# Altium PCB Copy of GameBoard_V1I1_083018.PcbDoc (part 4 of 21)
Units mil, origin at the board's own origin, x right, y up, seen from the top; angles counter-clockwise.
Board outline 7165.35 x 2763.78 mil, 12 copper layers (L1, L2, L3, L4, L5 (PWR), L6 (PWR), L7 (PWR), L8 (PWR), L9, L10, L11, L12), stack 61.575 mil thick; 1542 components, 1068 nets, 5447 pads, 3797 vias.
Unrouted connection lines stored in the file: 105.
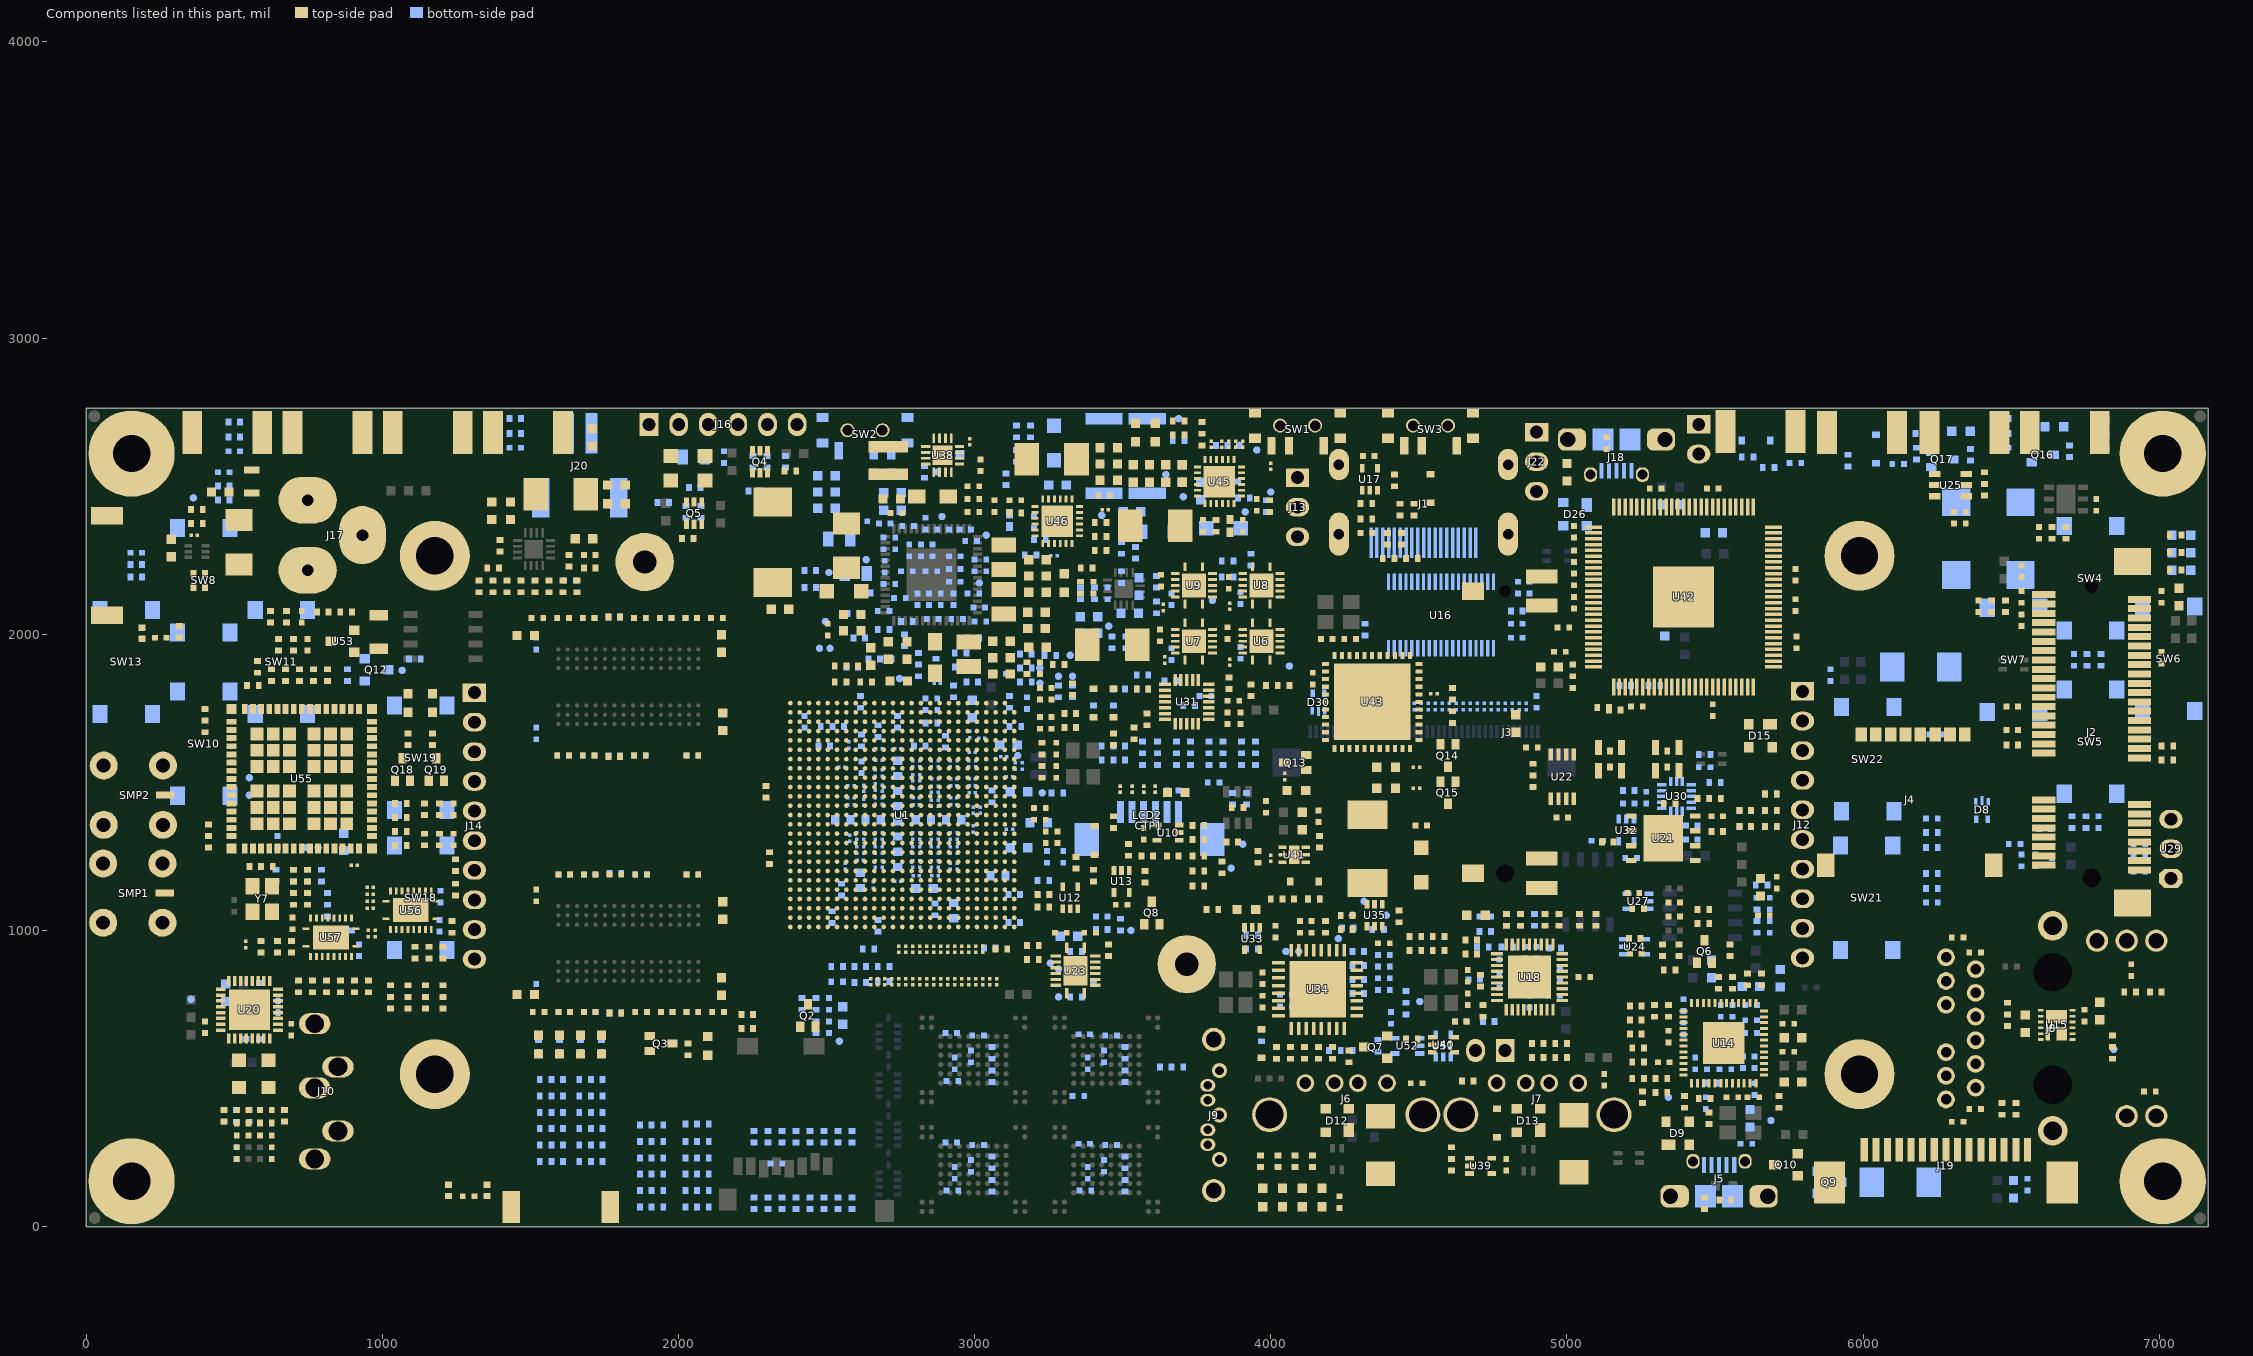
[diagram p14: the components of this part, seen from the top]

## Footprints (in the part's own frame and the unit in brackets; to place one, negate y for a bottom-side part, rotate by r counter-clockwise, add the part's x,y. Pads: shape width x height; smd on the part's side, far side on the other; paste and mask are expansions set on the pad) (continued)
"HDMI V1.1" [mm]
  rect 2.6x0.3 smd mask+0.025: 1(-3.36,4.5) 2(-3.36,4) 3(-3.36,3.5) 4(-3.36,3) 5(-3.36,2.5) 6(-3.36,2) 7(-3.36,1.5) 8(-3.36,1) 9(-3.36,0.5) 10(-3.36,0) 11(-3.36,-0.5) 12(-3.36,-1) 13(-3.36,-1.5) 14(-3.36,-2) 15(-3.36,-2.5) 16(-3.36,-3) 17(-3.36,-3.5) 18(-3.36,-4) 19(-3.36,-4.5)
  oval 3.7x1.7 hole 0.9 slot 2.7 at 0 deg: MTG1(-2.6,7.25) MTG3(-2.6,-7.25)
  oval 2.7x1.7 hole 0.9 slot 1.7 at 0 deg: MTG2(3.36,7.25) MTG4(3.36,-7.25)
  silkscreen extent -5.1,-10 12.05,10, body extent -4.2,-7.5 7.95,7.5, height 6.28
HDR_1X2_2.54MM [mm]
  rect 2x1.6 hole 1.1: 1(0,0)
  oval 2x1.6 hole 1.1: 2(0,-2.54)
  silkscreen extent -1.3,-3.81 1.3,1.27, body extent -1.2,-3.62 1.21,1.06, height 8.4
HDR_1X3_2.54MM [mm]
  rect 2x1.6 hole 1.1: 1(0,0)
  oval 2x1.6 hole 1.1: 2(0,-2.54) 3(0,-5.08)
  silkscreen extent -1.3,-6.25 1.3,1.27, body extent -1.2,-6.16 1.21,1.06, height 8.4
HDR_1X6_2.54MM [mm]
  rect 2x1.6 hole 1.1: 1(0,0)
  oval 2x1.6 hole 1.1: 2(0,-2.54) 3(0,-5.08) 4(0,-7.62) 5(0,-10.16) 6(0,-12.7)
  silkscreen extent -1.3,-13.97 1.3,1.27, body extent -1.2,-13.77 1.21,1.07, height 8.4
HVQFN33_7X7MM [mm]
  rect 1.1x0.3 smd mask+0.06: 1(-3.35,2.275) 2(-3.35,1.625) 3(-3.35,0.975) 4(-3.35,0.325) 5(-3.35,-0.325) 6(-3.35,-0.975) 7(-3.35,-1.625) 8(-3.35,-2.275) 17(3.35,-2.275) 18(3.35,-1.625) 19(3.35,-0.975) 20(3.35,-0.325) 21(3.35,0.325) 22(3.35,0.975) 23(3.35,1.625) 24(3.35,2.275)
  rect 0.3x1.1 smd mask+0.06: 9(-2.275,-3.35) 10(-1.625,-3.35) 11(-0.975,-3.35) 12(-0.325,-3.35) 13(0.325,-3.35) 14(0.975,-3.35) 15(1.625,-3.35) 16(2.275,-3.35) 25(2.275,3.35) 26(1.625,3.35) 27(0.975,3.35) 28(0.325,3.35) 29(-0.325,3.35) 30(-0.975,3.35) 31(-1.625,3.35) 32(-2.275,3.35)
  rect 4.85x4.85 smd paste-10 mask+0.06: 33(0,0)
  silkscreen extent -3.6,-3.6 3.6,3.6, body extent -3.5,-3.5 3.5,3.5, height 1
IFSC_79MILX98MIL [mm]
  rect 1.3x2.1 smd: 1(-1.05,0) 2(1.05,0)
  silkscreen extent -0.1,-1.1 0.1,1.1, body extent -1.3,-1 1.3,1, height 1.2
IHLP_118MILX144MIL [mm]
  rect 1.5x1.2 smd: 1(-1.35,0) 2(1.35,0)
  silkscreen extent -1.9,-1.6 1.9,1.6, body extent -1.9,-1.5 1.9,1.5, height 1.5
IHLP_160MILX175MIL [mm]
  rect 1.9x2.3 smd: 1(-1.9,0) 2(1.9,0)
  silkscreen extent -2.3,-2.2 2.3,2.2, body extent -2.3,-2.1 2.3,2.1, height 1.2
IHLP_204MILX216MIL [mm]
  rect 2.115x2.79 smd: 1(-2.137,0) 2(2.138,0)
  silkscreen extent -2.9,-2.7 2.9,2.7, body extent -2.75,-2.6 2.75,2.6, height 3
IHLP_255MILX255MIL [mil]
  rect 95x135 smd: 1(-115,0) 2(115,0)
  silkscreen extent -128,-128 128,128, body extent -128,-128 128,128, height 118
L829-1J1T-43 [mil]
  round 60 hole 35.43: 1(-200,-305) 2(-120,-305) 3(-40,-305) 4(40,-305) 5(120,-305) 6(200,-305) 7(-240,-405) 8(-160,-405) 9(-80,-405) 10(80,-405) 11(160,-405) 12(240,-405)
  round 75 hole 51.18: 13(-296,205) 14(-296,305) 15(296,105) 16(296,205) 17(296,305)
  round 100 hole 63: 18(-346,-45) 19(346,-45)
  round 0 hole 129.92: ""(-190,-45) ""(190,-45)
  silkscreen extent -346,-475 346,475, body extent -401,-472 401,495, height 494
LED_0603 [mm]
  rect 0.8x0.8 smd: 1(-0.8,0) 2(0.8,0)
  silkscreen extent -1.78,-0.76 1.52,0.76, body extent -0.85,-0.4 0.85,0.4, height 0.66
"LI-ION BAT" [mil]
  body extent 0,0 2126,2835, height 327
LQP_0402 [mm] "SMD, 2-Leads, Body 1.1x0.6mm"
  rect 0.55x0.6 smd: 1(-0.475,0) 2(0.475,0)
  body extent -0.55,-0.3 0.55,0.3, height 0.45
MH_5MMD_2MMD [mm]
  round 5 / inner round 3.683 / far side round 5 hole 2: 1(0,0)
MH_7.4MMD_3.2MMD [mm]
  round 7.4 / inner round 3.683 / far side round 7.4 hole 3.2 mask+0.025: 1(0,0)
MICRO_SD_CARD [mil]
  body extent -341,-541 93,50, height 77
MICRO_SIM_CARD [mil]
  body extent 0,-591 472,0, height 67
MINI_PCIE_52PIN_CARD_CON [mm]
  rect 2x0.6 smd mask+0.05: 1(-4.1,-0.7) 2(4.1,-1.1) 3(-4.1,-1.5) 4(4.1,-1.9) 5(-4.1,-2.3) 6(4.1,-2.7) 7(-4.1,-3.1) 8(4.1,-3.5) 9(-4.1,-3.9) 10(4.1,-4.3) 11(-4.1,-4.7) 12(4.1,-5.1) 13(-4.1,-5.5) 14(4.1,-5.9) 15(-4.1,-6.3) 16(4.1,-6.7) 17(-4.1,-10.3) 18(4.1,-10.7) 19(-4.1,-11.1) 20(4.1,-11.5) 21(-4.1,-11.9) 22(4.1,-12.3) 23(-4.1,-12.7) 24(4.1,-13.1) 25(-4.1,-13.5) 26(4.1,-13.9) 27(-4.1,-14.3) 28(4.1,-14.7) 29(-4.1,-15.1) 30(4.1,-15.5) 31(-4.1,-15.9) 32(4.1,-16.3) 33(-4.1,-16.7) 34(4.1,-17.1) 35(-4.1,-17.5) 36(4.1,-17.9) 37(-4.1,-18.3) 38(4.1,-18.7) 39(-4.1,-19.1) 40(4.1,-19.5) 41(-4.1,-19.9) 42(4.1,-20.3) 43(-4.1,-20.7) 44(4.1,-21.1) 45(-4.1,-21.5) 46(4.1,-21.9) 47(-4.1,-22.3) 48(4.1,-22.7) 49(-4.1,-23.1) 50(4.1,-23.5) 51(-4.1,-23.9) 52(4.1,-24.3)
  rect 3.2x2.3 smd: 53(-3.5,2.15) 54(-3.5,-27.15)
  rrect70% 0x0 hole 1.6 unplated: 55(0,0)
  rrect70% 0x0 hole 1.1 unplated: 56(0,-25)
  silkscreen extent -5.1,-26.8 5.1,1.8, body extent -5,-27.35 5,2.35, height 5.95
MINI_PCIE_52PIN_CARD_LATCH [mm]
  rect 2.7x1.2 smd mask+0.09: 1(-3.15,1.25) 2(-3.15,-1.25) 4(-3.15,-22.95) 5(-3.15,-25.45)
  rect 1.9x1.5 smd mask+0.09: 3(2.75,0) 6(2.75,-24.2)
  rrect70% 0x0 hole 1.55 mask+0.09: 7(0,0)
  rrect70% 0x0 hole 1.05 mask+0.09: 8(0,-24.2)
  silkscreen extent -3.35,-26.6 3.95,2.4, body extent -3.95,-26.6 3.95,2.4, height 6.7
"MINI_PCIE_FULL CARD" [mil]
  body extent 0,0 2006,1181, height 272
MLF_3X3_12PINS [mm]
  rect 0.48x0.23 smd mask+0.076: 1(-1.36,1.25) 2(-1.36,0.75) 3(-1.36,0.25) 4(-1.36,-0.25) 5(-1.36,-0.75) 6(-1.36,-1.25) 7(1.36,-1.25) 8(1.36,-0.75) 9(1.36,-0.25) 10(1.36,0.25) 11(1.36,0.75) 12(1.36,1.25)
  rect 1.8x1.125 smd mask+0.025: 13(0,0.699)
  rect 0.4x1.19 smd mask+0.076: 14(-0.77,-0.73)
  rect 0.9x1.19 smd mask+0.025: 15(0.45,-0.73)
  silkscreen extent -1.52,-1.65 1.52,2.1, body extent -1.52,-1.65 1.52,1.65, height 0.9
MOC0100A [mm]
  rect 0.85x0.85 smd paste-0.069 mask-0.051: 1(-5.975,6.025) 17(-5.975,-6.025) 33(5.975,-6.025) 49(5.975,6.025)
  rect 0.85x0.5 smd paste-0.05 mask-0.051: 2(-5.975,4.9) 3(-5.975,4.2) 4(-5.975,3.5) 5(-5.975,2.8) 6(-5.975,2.1) 7(-5.975,1.4) 8(-5.975,0.7) 9(-5.975,0) 10(-5.975,-0.7) 11(-5.975,-1.4) 12(-5.975,-2.1) 13(-5.975,-2.8) 14(-5.975,-3.5) 15(-5.975,-4.2) 16(-5.975,-4.9) 34(5.975,-4.9) 35(5.975,-4.2) 36(5.975,-3.5) 37(5.975,-2.8) 38(5.975,-2.1) 39(5.975,-1.4) 40(5.975,-0.7) 41(5.975,0) 42(5.975,0.7) 43(5.975,1.4) 44(5.975,2.1) 45(5.975,2.8) 46(5.975,3.5) 47(5.975,4.2) 48(5.975,4.9)
  rect 0.5x0.85 smd paste-0.05 mask-0.051: 18(-4.9,-6.025) 19(-4.2,-6.025) 20(-3.5,-6.025) 21(-2.8,-6.025) 22(-2.1,-6.025) 23(-1.4,-6.025) 24(-0.7,-6.025) 25(0,-6.025) 26(0.7,-6.025) 27(1.4,-6.025) 28(2.1,-6.025) 29(2.8,-6.025) 30(3.5,-6.025) 31(4.2,-6.025) 32(4.9,-6.025) 50(4.9,6.025) 51(4.2,6.025) 52(3.5,6.025) 53(2.8,6.025) 54(2.1,6.025) 55(1.4,6.025) 56(0.7,6.025) 57(0,6.025) 58(-0.7,6.025) 59(-1.4,6.025) 60(-2.1,6.025) 61(-2.8,6.025) 62(-3.5,6.025) 63(-4.2,6.025) 64(-4.9,6.025)
  rect 1.1x1.1 smd paste-0.075 mask-0.051: G1(-3.85,3.85) G2(-3.85,2.45) G3(-3.85,1.05) G4(-3.85,-1.05) G5(-3.85,-2.45) G6(-3.85,-3.85) G7(-2.45,3.85) G8(-2.45,2.45) G9(-2.45,1.05) G10(-2.45,-1.05) G11(-2.45,-2.45) G12(-2.45,-3.85) G13(-1.05,3.85) G14(-1.05,2.45) G15(-1.05,1.05) G16(-1.05,-1.05) G17(-1.05,-2.45) G18(-1.05,-3.85) G19(1.05,3.85) G20(1.05,2.45) G21(1.05,1.05) G22(1.05,-1.05) G23(1.05,-2.45) G24(1.05,-3.85) G25(2.45,3.85) G26(2.45,2.45) G27(2.45,1.05) G28(2.45,-1.05) G29(2.45,-2.45) G30(2.45,-3.85) G31(3.85,3.85) G32(3.85,2.45) G33(3.85,1.05) G34(3.85,-1.05) G35(3.85,-2.45) G36(3.85,-3.85)
  silkscreen extent -6.85,-6.9 6.85,6.9, body extent -6.7,-6.75 6.7,6.75, height 2
"MSOP8 _SMALLER" [mm]
  rect 1.04x0.38 smd mask+0.076: 1(-1.9,0.975) 2(-1.9,0.325) 3(-1.9,-0.325) 4(-1.9,-0.975) 5(1.9,-0.975) 6(1.9,-0.325) 7(1.9,0.325) 8(1.9,0.975)
  silkscreen extent -1.5,-1.6 1.5,1.6, body extent -1.5,-1.6 1.5,1.6, height 0.9
NHD-4.3-480272MB-ASXN-CTP [mm] "LCD TFT DISPLAY WVGA 4.3\" CAP T/S"
  round 6 hole 3.2: ""(-61.09,-22.225) ""(61.09,-22.225) ""(61.09,22.225)
  round 6 hole 3.2 unplated: ""(-61.09,22.225)
  L1 keep-out region: -66.5,29 -52.9,29 -52.9,15 -66.5,15
  L1 keep-out region: -66.4,-15.4 -52.8,-15.4 -52.8,-29.4 -66.4,-29.4
  L1 keep-out region: 52.9,-15.3 66.5,-15.3 66.5,-29.3 52.9,-29.3
  L1 keep-out region: 52.9,29.2 66.5,29.2 66.5,15.2 52.9,15.2
  L1 keep-out region: -46.6,-20.65 -44.1,-18.15 -40.7,-18.15 -38.4,-20.45 -38.4,-23.95 -40.7,-26.25 -44.2,-26.25 -46.6,-23.85
  L1 keep-out region: -46.175,-20.825 -43.925,-18.575 -40.875,-18.575 -38.825,-20.625 -38.825,-23.775 -40.875,-25.825 -44.025,-25.825 -46.175,-23.675
  L1 keep-out region: 38.75,23.575 41,25.825 44.05,25.825 46.1,23.775 46.1,20.625 44.05,18.575 40.9,18.575 38.75,20.725
  L1 keep-out region: 38.975,-20.925 41.225,-18.675 44.275,-18.675 46.325,-20.725 46.325,-23.875 44.275,-25.925 41.125,-25.925 38.975,-23.775
  L1 keep-out region: -46.2,23.65 -43.95,25.9 -40.9,25.9 -38.85,23.85 -38.85,20.7 -40.9,18.65 -44.05,18.65 -46.2,20.8
  silkscreen extent -52.8,-35 52.8,35, body extent -66.3,-79.21 66.28,35.01, height 14.43
PBGA624 [mm]
  round 0.4 smd mask+0.05: A2(-8.8,9.6) A3(-8,9.6) A4(-7.2,9.6) A5(-6.4,9.6) A6(-5.6,9.6) A7(-4.8,9.6) A8(-4,9.6) A9(-3.2,9.6) A10(-2.4,9.6) A11(-1.6,9.6) A12(-0.8,9.6) A13(0,9.6) A14(0.8,9.6) A15(1.6,9.6) A16(2.4,9.6) A17(3.2,9.6) A18(4,9.6) A19(4.8,9.6) A20(5.6,9.6) A21(6.4,9.6) A22(7.2,9.6) A23(8,9.6) A24(8.8,9.6) A25(9.6,9.6) AA1(-9.6,-6.4) AA2(-8.8,-6.4) AA3(-8,-6.4) AA4(-7.2,-6.4) AA5(-6.4,-6.4) AA6(-5.6,-6.4) AA7(-4.8,-6.4) AA8(-4,-6.4) AA9(-3.2,-6.4) AA10(-2.4,-6.4) AA11(-1.6,-6.4) AA12(-0.8,-6.4) AA13(0,-6.4) AA14(0.8,-6.4) AA15(1.6,-6.4) AA16(2.4,-6.4) AA17(3.2,-6.4) AA18(4,-6.4) AA19(4.8,-6.4) AA20(5.6,-6.4) AA21(6.4,-6.4) AA22(7.2,-6.4) AA23(8,-6.4) AA24(8.8,-6.4) AA25(9.6,-6.4) AB1(-9.6,-7.2) AB2(-8.8,-7.2) AB3(-8,-7.2) AB4(-7.2,-7.2) AB5(-6.4,-7.2) AB6(-5.6,-7.2) AB7(-4.8,-7.2) AB8(-4,-7.2) AB9(-3.2,-7.2) AB10(-2.4,-7.2) AB11(-1.6,-7.2) AB12(-0.8,-7.2) AB13(0,-7.2) AB14(0.8,-7.2) AB15(1.6,-7.2) AB16(2.4,-7.2) AB17(3.2,-7.2) AB18(4,-7.2) AB19(4.8,-7.2) AB20(5.6,-7.2) AB21(6.4,-7.2) AB22(7.2,-7.2) AB23(8,-7.2) AB24(8.8,-7.2) AB25(9.6,-7.2) AC1(-9.6,-8) AC2(-8.8,-8) AC3(-8,-8) AC4(-7.2,-8) AC5(-6.4,-8) AC6(-5.6,-8) AC7(-4.8,-8) AC8(-4,-8) AC9(-3.2,-8) AC10(-2.4,-8) AC11(-1.6,-8) AC12(-0.8,-8) AC13(0,-8) AC14(0.8,-8) AC15(1.6,-8) AC16(2.4,-8) AC17(3.2,-8) AC18(4,-8) AC19(4.8,-8) AC20(5.6,-8) AC21(6.4,-8) AC22(7.2,-8) AC23(8,-8) AC24(8.8,-8) AC25(9.6,-8) AD1(-9.6,-8.8) AD2(-8.8,-8.8) AD3(-8,-8.8) AD4(-7.2,-8.8) AD5(-6.4,-8.8) AD6(-5.6,-8.8) AD7(-4.8,-8.8) AD8(-4,-8.8) AD9(-3.2,-8.8) AD10(-2.4,-8.8) AD11(-1.6,-8.8) AD12(-0.8,-8.8) AD13(0,-8.8) AD14(0.8,-8.8) AD15(1.6,-8.8) AD16(2.4,-8.8) AD17(3.2,-8.8) AD18(4,-8.8) AD19(4.8,-8.8) AD20(5.6,-8.8) AD21(6.4,-8.8) AD22(7.2,-8.8) AD23(8,-8.8) AD24(8.8,-8.8) AD25(9.6,-8.8) AE1(-9.6,-9.6) AE2(-8.8,-9.6) AE3(-8,-9.6) AE4(-7.2,-9.6) AE5(-6.4,-9.6) AE6(-5.6,-9.6) AE7(-4.8,-9.6) AE8(-4,-9.6) AE9(-3.2,-9.6) AE10(-2.4,-9.6) AE11(-1.6,-9.6) AE12(-0.8,-9.6) AE13(0,-9.6) AE14(0.8,-9.6) AE15(1.6,-9.6) AE16(2.4,-9.6) AE17(3.2,-9.6) AE18(4,-9.6) AE19(4.8,-9.6) AE20(5.6,-9.6) AE21(6.4,-9.6) AE22(7.2,-9.6) AE23(8,-9.6) AE24(8.8,-9.6) AE25(9.6,-9.6) B1(-9.6,8.8) B2(-8.8,8.8) B3(-8,8.8) B4(-7.2,8.8) B5(-6.4,8.8) B6(-5.6,8.8) B7(-4.8,8.8) B8(-4,8.8) B9(-3.2,8.8) B10(-2.4,8.8) B11(-1.6,8.8) B12(-0.8,8.8) B13(0,8.8) B14(0.8,8.8) B15(1.6,8.8) B16(2.4,8.8) B17(3.2,8.8) B18(4,8.8) B19(4.8,8.8) B20(5.6,8.8) B21(6.4,8.8) B22(7.2,8.8) B23(8,8.8) B24(8.8,8.8) B25(9.6,8.8) C1(-9.6,8) C2(-8.8,8) C3(-8,8) C4(-7.2,8) C5(-6.4,8) C6(-5.6,8) C7(-4.8,8) C8(-4,8) C9(-3.2,8) C10(-2.4,8) C11(-1.6,8) C12(-0.8,8) C13(0,8) C14(0.8,8) C15(1.6,8) C16(2.4,8) C17(3.2,8) C18(4,8) C19(4.8,8) C20(5.6,8) C21(6.4,8) C22(7.2,8) C23(8,8) C24(8.8,8) C25(9.6,8) D1(-9.6,7.2) D2(-8.8,7.2) D3(-8,7.2) D4(-7.2,7.2) D5(-6.4,7.2) D6(-5.6,7.2) D7(-4.8,7.2) D8(-4,7.2) D9(-3.2,7.2) D10(-2.4,7.2) D11(-1.6,7.2) D12(-0.8,7.2) D13(0,7.2) D14(0.8,7.2) D15(1.6,7.2) D16(2.4,7.2) D17(3.2,7.2) D18(4,7.2) D19(4.8,7.2) D20(5.6,7.2) D21(6.4,7.2) D22(7.2,7.2) D23(8,7.2) D24(8.8,7.2) D25(9.6,7.2) E1(-9.6,6.4) E2(-8.8,6.4) E3(-8,6.4) E4(-7.2,6.4) E5(-6.4,6.4) E6(-5.6,6.4) E7(-4.8,6.4) E8(-4,6.4) E9(-3.2,6.4) E10(-2.4,6.4) E11(-1.6,6.4) E12(-0.8,6.4) E13(0,6.4) E14(0.8,6.4) E15(1.6,6.4) E16(2.4,6.4) E17(3.2,6.4) E18(4,6.4) E19(4.8,6.4) E20(5.6,6.4) E21(6.4,6.4) E22(7.2,6.4) E23(8,6.4) E24(8.8,6.4) E25(9.6,6.4) F1(-9.6,5.6) F2(-8.8,5.6) F3(-8,5.6) F4(-7.2,5.6) F5(-6.4,5.6) F6(-5.6,5.6) F7(-4.8,5.6) F8(-4,5.6) F9(-3.2,5.6) F10(-2.4,5.6) F11(-1.6,5.6) F12(-0.8,5.6) F13(0,5.6) F14(0.8,5.6) F15(1.6,5.6) F16(2.4,5.6) F17(3.2,5.6) F18(4,5.6) F19(4.8,5.6) F20(5.6,5.6) F21(6.4,5.6) F22(7.2,5.6) F23(8,5.6) F24(8.8,5.6) F25(9.6,5.6) G1(-9.6,4.8) G2(-8.8,4.8) G3(-8,4.8) G4(-7.2,4.8) G5(-6.4,4.8) G6(-5.6,4.8) G7(-4.8,4.8) G8(-4,4.8) G9(-3.2,4.8) G10(-2.4,4.8) G11(-1.6,4.8) G12(-0.8,4.8) G13(0,4.8) G14(0.8,4.8) G15(1.6,4.8) G16(2.4,4.8) G17(3.2,4.8) G18(4,4.8) G19(4.8,4.8) G20(5.6,4.8) G21(6.4,4.8) G22(7.2,4.8) G23(8,4.8) G24(8.8,4.8) G25(9.6,4.8) H1(-9.6,4) H2(-8.8,4) H3(-8,4) H4(-7.2,4) H5(-6.4,4) H6(-5.6,4) H7(-4.8,4) H8(-4,4) H9(-3.2,4) H10(-2.4,4) H11(-1.6,4) H12(-0.8,4) H13(0,4) H14(0.8,4) H15(1.6,4) H16(2.4,4) H17(3.2,4) H18(4,4) H19(4.8,4) H20(5.6,4) H21(6.4,4) H22(7.2,4) H23(8,4) H24(8.8,4) H25(9.6,4) J1(-9.6,3.2) J2(-8.8,3.2) J3(-8,3.2) J4(-7.2,3.2) J5(-6.4,3.2) J6(-5.6,3.2) J7(-4.8,3.2) J8(-4,3.2) J9(-3.2,3.2) J10(-2.4,3.2) J11(-1.6,3.2) J12(-0.8,3.2) J13(0,3.2) J14(0.8,3.2) J15(1.6,3.2) J16(2.4,3.2) J17(3.2,3.2) J18(4,3.2) J19(4.8,3.2) J20(5.6,3.2) J21(6.4,3.2) J22(7.2,3.2) J23(8,3.2) J24(8.8,3.2) J25(9.6,3.2) K1(-9.6,2.4) K2(-8.8,2.4) K3(-8,2.4) K4(-7.2,2.4) K5(-6.4,2.4) K6(-5.6,2.4) K7(-4.8,2.4) K8(-4,2.4) K9(-3.2,2.4) K10(-2.4,2.4) K11(-1.6,2.4) K12(-0.8,2.4) K13(0,2.4) K14(0.8,2.4) K15(1.6,2.4) K16(2.4,2.4) K17(3.2,2.4) K18(4,2.4) K19(4.8,2.4) K20(5.6,2.4) K21(6.4,2.4) K22(7.2,2.4) K23(8,2.4) K24(8.8,2.4) K25(9.6,2.4) L1(-9.6,1.6) L2(-8.8,1.6) L3(-8,1.6) L4(-7.2,1.6) L5(-6.4,1.6) L6(-5.6,1.6) L7(-4.8,1.6) L8(-4,1.6) L9(-3.2,1.6) L10(-2.4,1.6) L11(-1.6,1.6) L12(-0.8,1.6) L13(0,1.6) L14(0.8,1.6) L15(1.6,1.6) L16(2.4,1.6) L17(3.2,1.6) L18(4,1.6) L19(4.8,1.6) L20(5.6,1.6) L21(6.4,1.6) L22(7.2,1.6) L23(8,1.6) L24(8.8,1.6) L25(9.6,1.6) M1(-9.6,0.8) M2(-8.8,0.8) M3(-8,0.8) M4(-7.2,0.8) M5(-6.4,0.8) M6(-5.6,0.8) M7(-4.8,0.8) M8(-4,0.8) M9(-3.2,0.8) M10(-2.4,0.8) M11(-1.6,0.8) M12(-0.8,0.8) M13(0,0.8) M14(0.8,0.8) M15(1.6,0.8) M16(2.4,0.8) M17(3.2,0.8) M18(4,0.8) M19(4.8,0.8) M20(5.6,0.8) M21(6.4,0.8) M22(7.2,0.8) M23(8,0.8) M24(8.8,0.8) M25(9.6,0.8) N1(-9.6,0) N2(-8.8,0) N3(-8,0) N4(-7.2,0) N5(-6.4,0) N6(-5.6,0) N7(-4.8,0) N8(-4,0) N9(-3.2,0) N10(-2.4,0) N11(-1.6,0) N12(-0.8,0) N13(0,0) N14(0.8,0) N15(1.6,0) N16(2.4,0) N17(3.2,0) N18(4,0) N19(4.8,0) N20(5.6,0) N21(6.4,0) N22(7.2,0) N23(8,0) N24(8.8,0) N25(9.6,0) P1(-9.6,-0.8) P2(-8.8,-0.8) P3(-8,-0.8) P4(-7.2,-0.8) P5(-6.4,-0.8) P6(-5.6,-0.8) P7(-4.8,-0.8) P8(-4,-0.8) P9(-3.2,-0.8) P10(-2.4,-0.8) P11(-1.6,-0.8) P12(-0.8,-0.8) P13(0,-0.8) P14(0.8,-0.8) P15(1.6,-0.8) P16(2.4,-0.8) P17(3.2,-0.8) P18(4,-0.8) P19(4.8,-0.8) P20(5.6,-0.8) P21(6.4,-0.8) P22(7.2,-0.8) P23(8,-0.8) P24(8.8,-0.8) P25(9.6,-0.8) R1(-9.6,-1.6) R2(-8.8,-1.6) R3(-8,-1.6) R4(-7.2,-1.6) R5(-6.4,-1.6) R6(-5.6,-1.6) R7(-4.8,-1.6) R8(-4,-1.6) R9(-3.2,-1.6) R10(-2.4,-1.6) R11(-1.6,-1.6) R12(-0.8,-1.6) R13(0,-1.6) R14(0.8,-1.6) R15(1.6,-1.6) R16(2.4,-1.6) R17(3.2,-1.6) R18(4,-1.6) R19(4.8,-1.6) R20(5.6,-1.6) R21(6.4,-1.6) R22(7.2,-1.6) R23(8,-1.6) R24(8.8,-1.6) R25(9.6,-1.6) T1(-9.6,-2.4) T2(-8.8,-2.4) T3(-8,-2.4) T4(-7.2,-2.4) T5(-6.4,-2.4) T6(-5.6,-2.4) T7(-4.8,-2.4) T8(-4,-2.4) T9(-3.2,-2.4) T10(-2.4,-2.4) T11(-1.6,-2.4) T12(-0.8,-2.4) T13(0,-2.4) T14(0.8,-2.4) T15(1.6,-2.4) T16(2.4,-2.4) T17(3.2,-2.4) T18(4,-2.4) T19(4.8,-2.4) T20(5.6,-2.4) T21(6.4,-2.4) T22(7.2,-2.4) T23(8,-2.4) T24(8.8,-2.4) T25(9.6,-2.4) U1(-9.6,-3.2) U2(-8.8,-3.2) U3(-8,-3.2) U4(-7.2,-3.2) U5(-6.4,-3.2) U6(-5.6,-3.2) U7(-4.8,-3.2) U8(-4,-3.2) U9(-3.2,-3.2) U10(-2.4,-3.2) U11(-1.6,-3.2) U12(-0.8,-3.2) U13(0,-3.2) U14(0.8,-3.2) U15(1.6,-3.2) U16(2.4,-3.2) U17(3.2,-3.2) U18(4,-3.2) U19(4.8,-3.2) U20(5.6,-3.2) U21(6.4,-3.2) U22(7.2,-3.2) U23(8,-3.2) U24(8.8,-3.2) U25(9.6,-3.2) V1(-9.6,-4) V2(-8.8,-4) V3(-8,-4) V4(-7.2,-4) V5(-6.4,-4) V6(-5.6,-4) V7(-4.8,-4) V8(-4,-4) V9(-3.2,-4) V10(-2.4,-4) V11(-1.6,-4) V12(-0.8,-4) V13(0,-4) V14(0.8,-4) V15(1.6,-4) V16(2.4,-4) V17(3.2,-4) V18(4,-4) V19(4.8,-4) V20(5.6,-4) V21(6.4,-4) V22(7.2,-4) V23(8,-4) V24(8.8,-4) V25(9.6,-4) W1(-9.6,-4.8) W2(-8.8,-4.8) W3(-8,-4.8) W4(-7.2,-4.8) W5(-6.4,-4.8) W6(-5.6,-4.8) W7(-4.8,-4.8) W8(-4,-4.8) W9(-3.2,-4.8) W10(-2.4,-4.8) W11(-1.6,-4.8) W12(-0.8,-4.8) W13(0,-4.8) W14(0.8,-4.8) W15(1.6,-4.8) W16(2.4,-4.8) W17(3.2,-4.8) W18(4,-4.8) W19(4.8,-4.8) W20(5.6,-4.8) W21(6.4,-4.8) W22(7.2,-4.8) W23(8,-4.8) W24(8.8,-4.8) W25(9.6,-4.8) Y1(-9.6,-5.6) Y2(-8.8,-5.6) Y3(-8,-5.6) Y4(-7.2,-5.6) Y5(-6.4,-5.6) Y6(-5.6,-5.6) Y7(-4.8,-5.6) Y8(-4,-5.6) Y9(-3.2,-5.6) Y10(-2.4,-5.6) Y11(-1.6,-5.6) Y12(-0.8,-5.6) Y13(0,-5.6) Y14(0.8,-5.6) Y15(1.6,-5.6) Y16(2.4,-5.6) Y17(3.2,-5.6) Y18(4,-5.6) Y19(4.8,-5.6) Y20(5.6,-5.6) Y21(6.4,-5.6) Y22(7.2,-5.6) Y23(8,-5.6) Y24(8.8,-5.6) Y25(9.6,-5.6)
  silkscreen extent -10.6,-10.6 10.6,10.6, body extent -10.5,-10.5 10.5,10.5, height 1.1
POWER_JACK_5.5_2.1MM_NS_V1.1 [mm]
  oval 5x4 hole 1 slot 3.7 at 0 deg: 1(0,0)
  oval 5x4 hole 1 slot 3.2 at 0 deg: 2(0,6)
  oval 4x5 hole 1 slot 3.2 at 90 deg: 3(-4.7,3)
  silkscreen extent -4.65,-0.85 4.65,19.85, body extent -4.9,-0.7 4.5,13.7, height 11.02
QFN16_3MMX3MM [mm]
  rect 0.8x0.25 smd mask+0.03: 1(-1.45,0.75) 2(-1.45,0.25) 3(-1.45,-0.25) 4(-1.45,-0.75) 9(1.45,-0.75) 10(1.45,-0.25) 11(1.45,0.25) 12(1.45,0.75)
  rect 0.25x0.8 smd mask+0.03: 5(-0.75,-1.45) 6(-0.25,-1.45) 7(0.25,-1.45) 8(0.75,-1.45) 13(0.75,1.45) 14(0.25,1.45) 15(-0.25,1.45) 16(-0.75,1.45)
  rect 1.7x1.7 smd mask+0.03: 17(0,0)
  silkscreen extent -2.47,-1.7 1.7,1.7, body extent -1.55,-1.55 1.55,1.55, height 1
QFN16_3X3MM [mm]
  rect 0.8x0.3 smd mask+0.03: 1(-1.275,1) 2(-1.275,0.5) 3(-1.275,0) 4(-1.275,-0.5) 5(-1.275,-1) 9(1.275,-1) 10(1.275,-0.5) 11(1.275,0) 12(1.275,0.5) 13(1.275,1)
  rect 0.3x0.8 smd mask+0.03: 6(-0.5,-1.275) 7(0,-1.275) 8(0.5,-1.275) 14(0.5,1.275) 15(0,1.275) 16(-0.5,1.275)
  silkscreen extent -1.9,-1.6 1.6,1.6, body extent -1.5,-1.5 1.5,1.5, height 1.02
QFN24_4X4MM [mm]
  rect 1x0.3 smd mask+0.03: 1(-1.875,1.5) 2(-1.875,1) 3(-1.875,0.5) 4(-1.875,0) 5(-1.875,-0.5) 6(-1.875,-1) 7(-1.875,-1.5) 13(1.875,-1.5) 14(1.875,-1) 15(1.875,-0.5) 16(1.875,0) 17(1.875,0.5) 18(1.875,1) 19(1.875,1.5)
  rect 0.3x1 smd mask+0.03: 8(-1,-1.875) 9(-0.5,-1.875) 10(0,-1.875) 11(0.5,-1.875) 12(1,-1.875) 20(1,1.875) 21(0.5,1.875) 22(0,1.875) 23(-0.5,1.875) 24(-1,1.875)
  silkscreen extent -2.7,-2.1 2.1,2.2, body extent -2,-2 2,2, height 1.05
"QFN32 5X5X0.85_V1.1" [mm]
  rect 0.83x0.3 smd mask+0.025: 1(-2.46,1.75) 2(-2.46,1.25) 3(-2.46,0.75) 4(-2.46,0.25) 5(-2.46,-0.25) 6(-2.46,-0.75) 7(-2.46,-1.25) 8(-2.46,-1.75) 17(2.46,-1.75) 18(2.46,-1.25) 19(2.46,-0.75) 20(2.46,-0.25) 21(2.46,0.25) 22(2.46,0.75) 23(2.46,1.25) 24(2.46,1.75)
  rect 0.3x0.83 smd mask+0.025: 9(-1.75,-2.46) 10(-1.25,-2.46) 11(-0.75,-2.46) 12(-0.25,-2.46) 13(0.25,-2.46) 14(0.75,-2.46) 15(1.25,-2.46) 16(1.75,-2.46) 25(1.75,2.46) 26(1.25,2.46) 27(0.75,2.46) 28(0.25,2.46) 29(-0.25,2.46) 30(-0.75,2.46) 31(-1.25,2.46) 32(-1.75,2.46)
  rect 3.5x3.5 smd paste-10 mask+0.025: 33(0,0)
  silkscreen extent -2.6,-2.6 2.6,2.6, body extent -2.5,-2.5 2.5,2.5, height 0.9
QFN36_6MMX6MM [mm]
  rect 1x0.28 smd mask+0.025: 1(-2.8,2) 2(-2.8,1.5) 3(-2.8,1) 4(-2.8,0.5) 5(-2.8,0) 6(-2.8,-0.5) 7(-2.8,-1) 8(-2.8,-1.5) 9(-2.8,-2) 19(2.8,-2) 20(2.8,-1.5) 21(2.8,-1) 22(2.8,-0.5) 23(2.8,0) 24(2.8,0.5) 25(2.8,1) 26(2.8,1.5) 27(2.8,2)
  rect 0.28x1 smd mask+0.025: 10(-2,-2.8) 11(-1.5,-2.8) 12(-1,-2.8) 13(-0.5,-2.8) 14(0,-2.8) 15(0.5,-2.8) 16(1,-2.8) 17(1.5,-2.8) 18(2,-2.8) 28(2,2.8) 29(1.5,2.8) 30(1,2.8) 31(0.5,2.8) 32(0,2.8) 33(-0.5,2.8) 34(-1,2.8) 35(-1.5,2.8) 36(-2,2.8)
  rect 3.7x3.7 smd paste-10 mask+0.025: 37(0,0)
  silkscreen extent -3.1,-3.1 3.1,3.1, body extent -3.1,-3.1 3.1,3.1, height 0.9
QFN44_8MMX8MM [mm] "QFN, 44-Leads, Body 8.00x8.00mm, Pitch 0.65mm, Thermal Pad 6.55x6.55mm, IPC High Density"
  rect 0.6x0.35 smd mask+0.025: 1(-4,3.25) 2(-4,2.6) 3(-4,1.95) 4(-4,1.3) 5(-4,0.65) 6(-4,0) 7(-4,-0.65) 8(-4,-1.3) 9(-4,-1.95) 10(-4,-2.6) 11(-4,-3.25) 23(4,-3.25) 24(4,-2.6) 25(4,-1.95) 26(4,-1.3) 27(4,-0.65) 28(4,0) 29(4,0.65) 30(4,1.3) 31(4,1.95) 32(4,2.6) 33(4,3.25)
  rect 0.35x0.6 smd mask+0.025: 12(-3.25,-4) 13(-2.6,-4) 14(-1.95,-4) 15(-1.3,-4) 16(-0.65,-4) 17(0,-4) 18(0.65,-4) 19(1.3,-4) 20(1.95,-4) 21(2.6,-4) 22(3.25,-4) 34(3.25,4) 35(2.6,4) 36(1.95,4) 37(1.3,4) 38(0.65,4) 39(0,4) 40(-0.65,4) 41(-1.3,4) 42(-1.95,4) 43(-2.6,4) 44(-3.25,4)
  rect 6.55x6.55 smd mask+0.025: 45(0,0)
  silkscreen extent -4.92,-4.15 4.15,4.15, body extent -4,-4 4,4, height 1
QFN48_SMALL_EP_7MMX7MM [mm]
  rect 0.7x0.25 smd mask+0.03: 1(-3.44,2.75) 2(-3.44,2.25) 3(-3.44,1.75) 4(-3.44,1.25) 5(-3.44,0.75) 6(-3.44,0.25) 7(-3.44,-0.25) 8(-3.44,-0.75) 9(-3.44,-1.25) 10(-3.44,-1.75) 11(-3.44,-2.25) 12(-3.44,-2.75) 25(3.44,-2.75) 26(3.44,-2.25) 27(3.44,-1.75) 28(3.44,-1.25) 29(3.44,-0.75) 30(3.44,-0.25) 31(3.44,0.25) 32(3.44,0.75) 33(3.44,1.25) 34(3.44,1.75) 35(3.44,2.25) 36(3.44,2.75)